# KiCad board IotThermalCamera.kicad_pcb
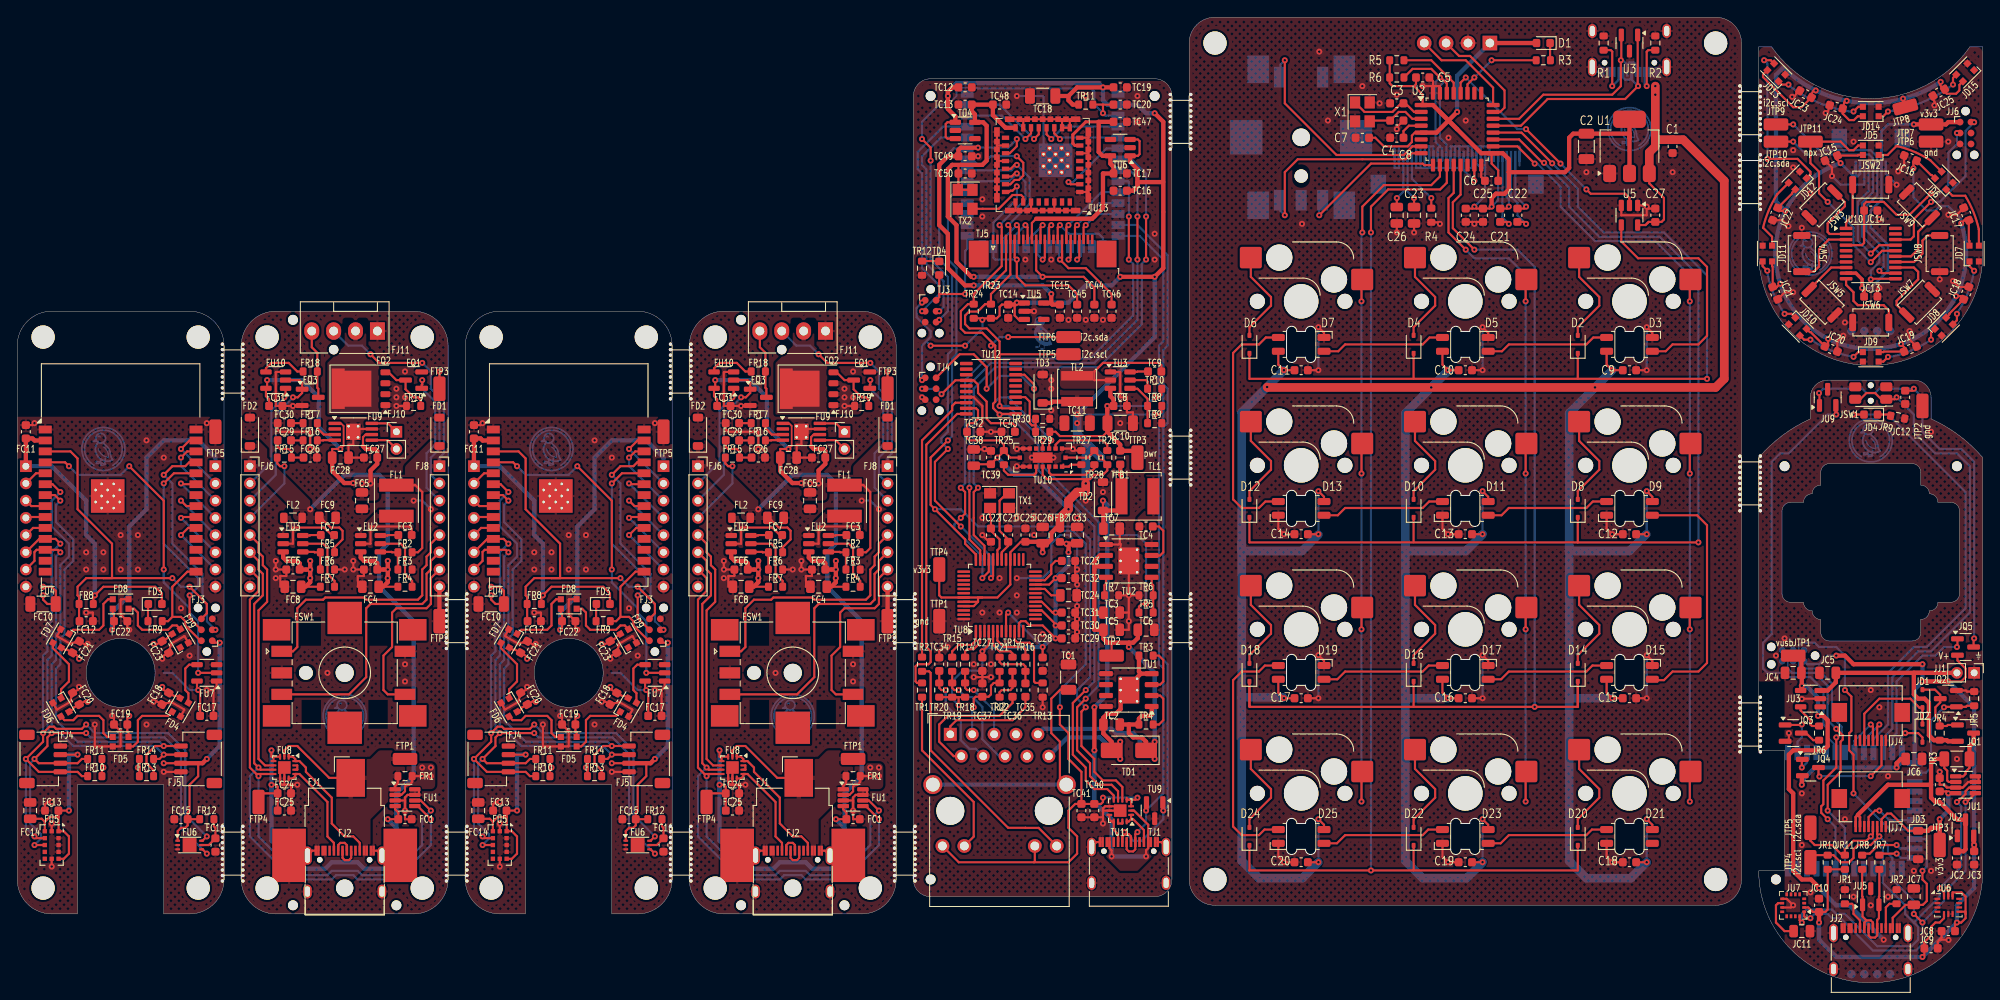
[diagram p0: board, top side]
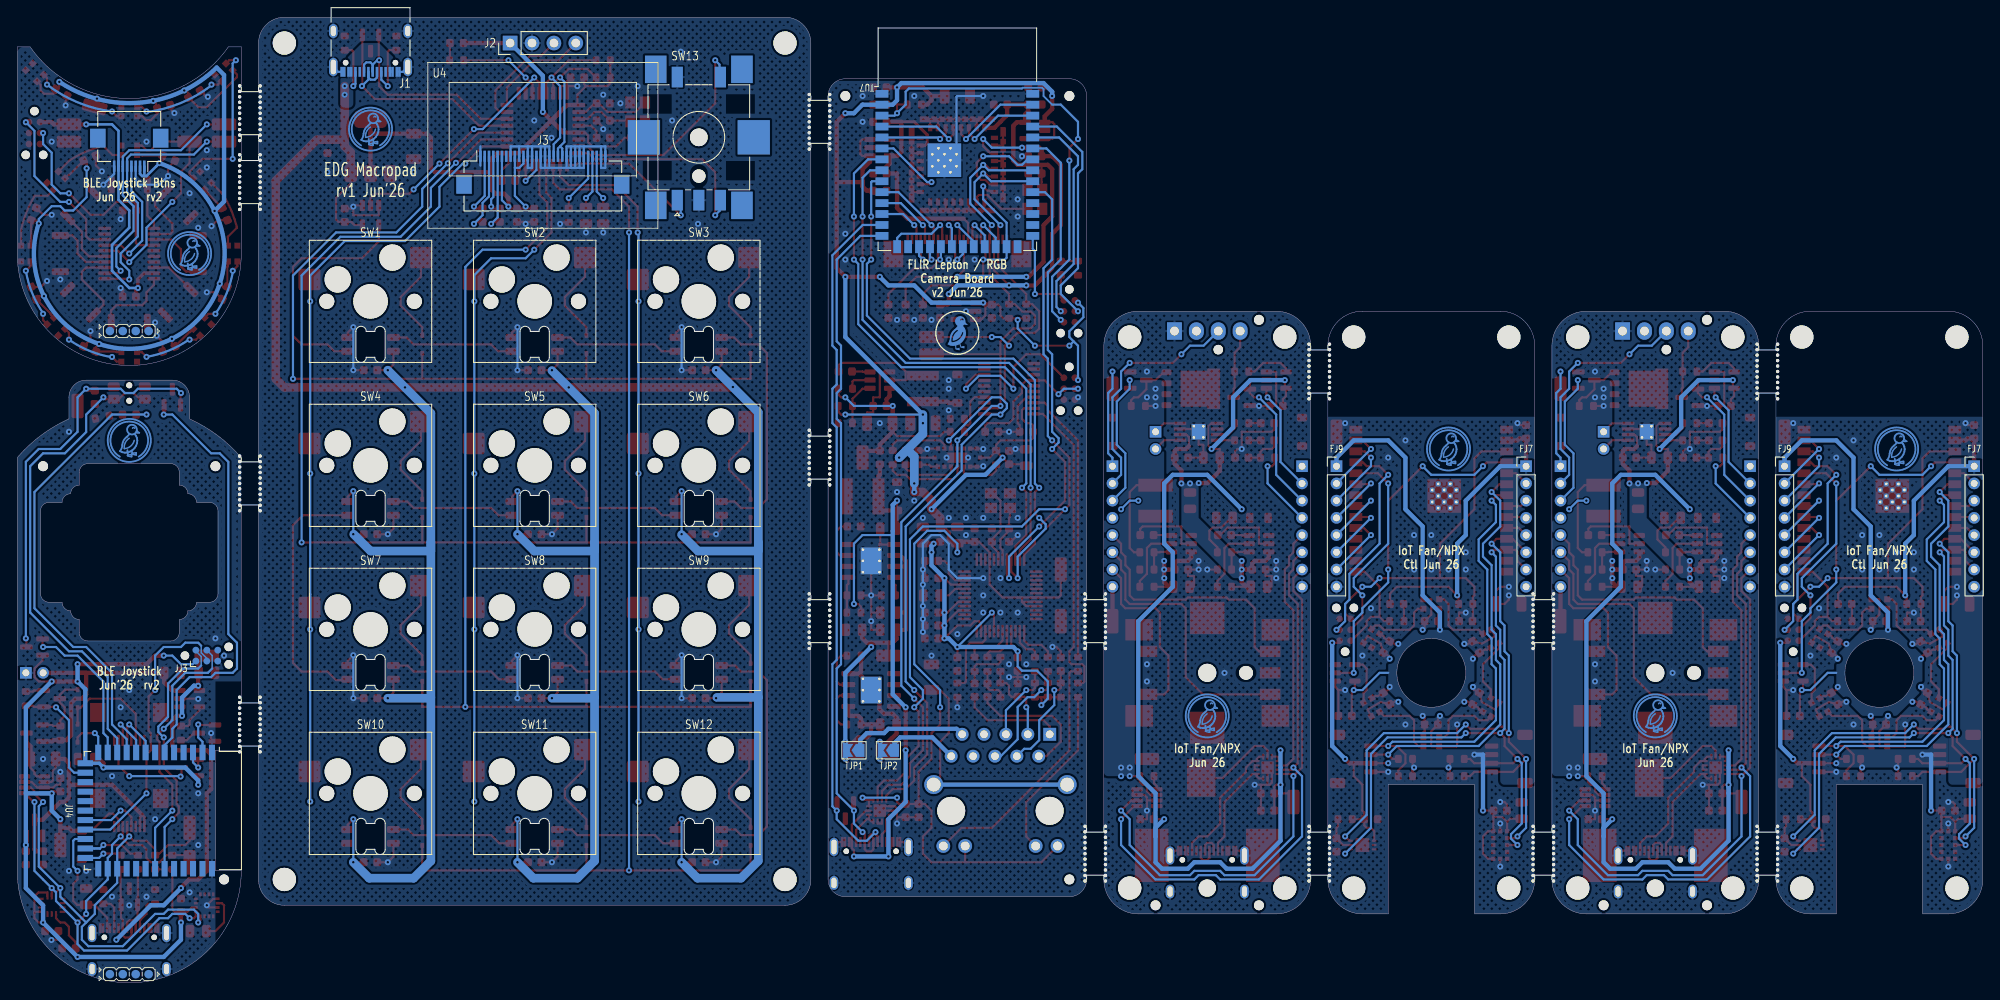
[diagram p1: board, bottom side, seen from below]

Outline 228.1 x 112.15 mm; copper layers: Front, Back. Coordinates in mm from the lower left corner of the outline.
Outline path: circle c12,36 r4 ; circle c64,36 r4 ; 24,74 arc(22.83,76.83) 20,78 4,78 arc(1.17,76.83) 0,74 0,12 arc(1.17,9.17) 4,8 7,8 7,23 17,23 17,8 20,8 arc(22.83,9.17) 24,12 ; 24,68 24,18 ; 26,74 arc(27.17,76.83) 30,78 46,78 arc(48.83,76.83) 50,74 50,45 ; 26,18 26,68 ; 26,12 arc(27.17,9.17) 30,8 46,8 arc(48.83,9.17) 50,12 ; 50,39 50,18 ; 52,45 52,74 arc(53.17,76.83) 56,78 72,78 arc(74.83,76.83) 76,74 ; 52,18 52,39 ; 52,12 arc(53.17,9.17) 56,8 59,8 59,23 69,23 69,8 72,8 arc(74.83,9.17) 76,12 ; 76,68 76,18 ; 78,74 arc(79.17,76.83) 82,78 98,78 arc(100.83,76.83) 102,74 102,45 ; 78,18 78,68 ; 78,12 arc(79.17,9.17) 82,8 98,8 arc(100.83,9.17) 102,12 ; 102,39 102,18 ; 104,45 104,103 arc(104.59,104.41) 106,105 132,105 arc(133.41,104.41) 134,103 ; 104,39 104,18 ; 104,12 arc(104.59,10.59) 106,10 132,10 arc(133.41,10.59) 134,12 134,39 ; 134,64 134,97 ; 134,58 134,45 ; 136,103 136,109.15 arc(136.88,111.27) 139,112.15 197.1,112.15 arc(199.22,111.27) 200.1,109.15 200.1,104 ; 136,64 136,97 ; 136,45 136,58 ; 136,39 136,12 arc(136.88,9.88) 139,9 197.1,9 arc(199.22,9.88) 200.1,12 200.1,27 ; 200.1,96 200.1,98 ; 200.1,90 200.1,61 ; 200.1,55 200.1,33 ; 202.1,104 202.1,108.7 203.6,108.7 arc(208.61,104.29) 215.1,102.7 arc(221.59,104.29) 226.6,108.7 228.1,108.7 228.1,84.7 arc(215.1,71.7) 202.1,84.7 202.1,90 ; 202.1,96 202.1,98 ; 202.1,61 arc(204.85,63.58) 208.1,65.5 208.1,68 arc(208.69,69.41) 210.1,70 220.1,70 arc(221.51,69.41) 222.1,68 222.1,65.5 arc(225.35,63.58) 228.1,61 228.1,13 arc(215.1,0) 202.1,13 205.1,13 205.1,27 202.1,27 ; 202.1,33 202.1,55 ; 204.8,54.8 204.8,45.2 arc(205.09,44.49) 205.8,44.2 207.3,44.2 arc(207.59,43.49) 208.3,43.2 arc(208.59,42.49) 209.3,42.2 209.3,40.7 arc(209.59,39.99) 210.3,39.7 219.9,39.7 arc(220.61,39.99) 220.9,40.7 220.9,42.2 arc(221.61,42.49) 221.9,43.2 arc(222.61,43.49) 222.9,44.2 224.4,44.2 arc(225.11,44.49) 225.4,45.2 225.4,54.8 arc(225.11,55.51) 224.4,55.8 222.9,55.8 arc(222.61,56.51) 221.9,56.8 arc(221.61,57.51) 220.9,57.8 220.9,59.3 arc(220.61,60.01) 219.9,60.3 210.3,60.3 arc(209.59,60.01) 209.3,59.3 209.3,57.8 arc(208.59,57.51) 208.3,56.8 arc(207.59,56.51) 207.3,55.8 205.8,55.8 arc(205.09,55.51) 204.8,54.8
Stack: Front 0.035mm / dielectric 0.91mm FR4 er 4.5 / Back 0.035mm

## Placement (name value [footprint] x y rotation side)
C1  reg.in_cap  [C_0603_1608Metric]  192.1 97.15 270 top
C2  reg.out_cap  [C_1206_3216Metric]  182.1 97.15 270 top
C3  mcu.crystal.cap_a  [C_0603_1608Metric]  160.1 102.15 180 top
C4  mcu.crystal.cap_b  [C_0603_1608Metric]  160.1 100.15 0 top
C5  mcu.vdd_cap[0]  [C_0603_1608Metric]  163.1 105.15 0 top
C6  mcu.vdd_cap[1]  [C_0603_1608Metric]  171.1 93.15 180 top
C7  mcu.vdda_cap  [C_0603_1608Metric]  156.1 98.15 180 top
C8  mcu.reset_cap  [C_0603_1608Metric]  160.1 98.15 180 top
C9  sw.sw[0,0].npx.cap  [C_0603_1608Metric]  187.1 71.15 0 top
C10  sw.sw[1,0].npx.cap  [C_0603_1608Metric]  168.05 71.15 0 top
C11  sw.sw[2,0].npx.cap  [C_0603_1608Metric]  149 71.15 0 top
C12  sw.sw[0,1].npx.cap  [C_0603_1608Metric]  187.1 52.1 180 top
C13  sw.sw[1,1].npx.cap  [C_0603_1608Metric]  168.05 52.1 180 top
C14  sw.sw[2,1].npx.cap  [C_0603_1608Metric]  149 52.1 180 top
C15  sw.sw[0,2].npx.cap  [C_0603_1608Metric]  187.1 33.05 0 top
C16  sw.sw[1,2].npx.cap  [C_0603_1608Metric]  168.05 33.05 0 top
C17  sw.sw[2,2].npx.cap  [C_0603_1608Metric]  149 33.05 0 top
C18  sw.sw[0,3].npx.cap  [C_0603_1608Metric]  187.1 14 180 top
C19  sw.sw[1,3].npx.cap  [C_0603_1608Metric]  168.05 14 180 top
C20  sw.sw[2,3].npx.cap  [C_0603_1608Metric]  149 14 180 top
C21  oled.c1_cap  [C_0603_1608Metric]  172.1 89.15 270 top
C22  oled.c2_cap  [C_0603_1608Metric]  174.1 89.15 270 top
C23  oled.vcomh_cap  [C_0805_2012Metric]  162.1 89.15 270 top
C24  oled.vdd_cap1  [C_0603_1608Metric]  168.1 89.15 270 top
C25  oled.vbat_cap  [C_0603_1608Metric]  170.1 89.15 270 top
C26  oled.vcc_cap  [C_0805_2012Metric]  160.1 89.15 270 top
C27  npx_shift.vdd_cap  [C_0603_1608Metric]  190.1 89.15 90 top
D1  ledr.package  [LED_0603_1608Metric]  177.1 109.15 180 top
D2  sw.sw[0,0].d  [D_SOD-323]  181.1 74.15 90 top
D3  sw.sw[0,0].npx.device  [LED_SK6812MINI-E]  187.1 74.15 0 bottom
D4  sw.sw[1,0].d  [D_SOD-323]  162.05 74.15 90 top
D5  sw.sw[1,0].npx.device  [LED_SK6812MINI-E]  168.05 74.15 0 bottom
D6  sw.sw[2,0].d  [D_SOD-323]  143 74.15 90 top
D7  sw.sw[2,0].npx.device  [LED_SK6812MINI-E]  149 74.15 0 bottom
D8  sw.sw[0,1].d  [D_SOD-323]  181.1 55.1 90 top
D9  sw.sw[0,1].npx.device  [LED_SK6812MINI-E]  187.1 55.1 180 bottom
D10  sw.sw[1,1].d  [D_SOD-323]  162.05 55.1 90 top
D11  sw.sw[1,1].npx.device  [LED_SK6812MINI-E]  168.05 55.1 180 bottom
D12  sw.sw[2,1].d  [D_SOD-323]  143 55.1 90 top
D13  sw.sw[2,1].npx.device  [LED_SK6812MINI-E]  149 55.1 180 bottom
D14  sw.sw[0,2].d  [D_SOD-323]  181.1 36.05 90 top
D15  sw.sw[0,2].npx.device  [LED_SK6812MINI-E]  187.1 36.05 0 bottom
D16  sw.sw[1,2].d  [D_SOD-323]  162.05 36.05 90 top
D17  sw.sw[1,2].npx.device  [LED_SK6812MINI-E]  168.05 36.05 0 bottom
D18  sw.sw[2,2].d  [D_SOD-323]  143 36.05 90 top
D19  sw.sw[2,2].npx.device  [LED_SK6812MINI-E]  149 36.05 0 bottom
D20  sw.sw[0,3].d  [D_SOD-323]  181.1 17 90 top
D21  sw.sw[0,3].npx.device  [LED_SK6812MINI-E]  187.1 17 180 bottom
D22  sw.sw[1,3].d  [D_SOD-323]  162.05 17 90 top
D23  sw.sw[1,3].npx.device  [LED_SK6812MINI-E]  168.05 17 180 bottom
D24  sw.sw[2,3].d  [D_SOD-323]  143 17 90 top
D25  sw.sw[2,3].npx.device  [LED_SK6812MINI-E]  149 17 180 bottom
duck  G***  [Symbol_Duckling]  208.1 84.7 180 bottom
duck#2  G***  [Symbol_Duckling]  10 62 180 bottom
duck#3  G***  [Symbol_Duckling]  62 62 180 bottom
duck#4  G***  [Symbol_Duckling]  187.1 99.15 180 bottom
duck#5  G***  [Symbol_Duckling]  215.1 63 180 bottom
FC1  vin_sense.vs_cap  [C_0603_1608Metric]  97 19 0 top
FC1#2  vin_sense.vs_cap  [C_0603_1608Metric]  45 19 0 top
FC2  reg_5v.hf_in_cap  [C_0603_1608Metric]  41 48 180 top
FC2#2  reg_5v.hf_in_cap  [C_0603_1608Metric]  93 48 180 top
FC3  reg_5v.boot_cap  [C_0603_1608Metric]  45 52 0 top
FC3#2  reg_5v.boot_cap  [C_0603_1608Metric]  97 52 0 top
FC4  reg_5v.power_path.in_cap  [C_0805_2012Metric]  41 46 180 top
FC4#2  reg_5v.power_path.in_cap  [C_0805_2012Metric]  93 46 180 top
FC5  reg_5v.power_path.out_cap  [C_0805_2012Metric]  92 56 270 top
FC5#2  reg_5v.power_path.out_cap  [C_0805_2012Metric]  40 56 270 top
FC6  reg_3v3.hf_in_cap  [C_0603_1608Metric]  84 48 180 top
FC6#2  reg_3v3.hf_in_cap  [C_0603_1608Metric]  32 48 180 top
FC7  reg_3v3.boot_cap  [C_0603_1608Metric]  88 52 0 top
FC7#2  reg_3v3.boot_cap  [C_0603_1608Metric]  36 52 0 top
FC8  reg_3v3.power_path.in_cap  [C_0805_2012Metric]  84 46 180 top
FC8#2  reg_3v3.power_path.in_cap  [C_0805_2012Metric]  32 46 180 top
FC9  reg_3v3.power_path.out_cap  [C_0805_2012Metric]  36 54 0 top
FC9#2  reg_3v3.power_path.out_cap  [C_0805_2012Metric]  88 54 0 top
FC10  control.mcu.vcc_cap0  [C_1206_3216Metric]  55 44 180 top
FC10#2  control.mcu.vcc_cap0  [C_1206_3216Metric]  3 44 180 top
FC11  control.mcu.vcc_cap1  [C_0603_1608Metric]  53 64 90 top
FC11#2  control.mcu.vcc_cap1  [C_0603_1608Metric]  1 64 90 top
FC12  control.mcu.en_pull.c  [C_0603_1608Metric]  8 42 0 top
FC12#2  control.mcu.en_pull.c  [C_0603_1608Metric]  60 42 0 top
FC13  control.dist.vdd_cap[0]  [C_0603_1608Metric]  56 20 180 top
FC13#2  control.dist.vdd_cap[0]  [C_0603_1608Metric]  4 20 180 top
FC14  control.dist.vdd_cap[1]  [C_0805_2012Metric]  1.5 20 90 top
FC14#2  control.dist.vdd_cap[1]  [C_0805_2012Metric]  53.5 20 90 top
FC15  control.als.vcc_cap  [C_0603_1608Metric]  19 19 180 top
FC15#2  control.als.vcc_cap  [C_0603_1608Metric]  71 19 180 top
FC16  control.als.dvi_pull.c  [C_0603_1608Metric]  75 16 270 top
FC16#2  control.als.dvi_pull.c  [C_0603_1608Metric]  23 16 270 top
FC17  control.npx_shift.vdd_cap  [C_0603_1608Metric]  22 31 0 top
FC17#2  control.npx_shift.vdd_cap  [C_0603_1608Metric]  74 31 0 top
FC18  control.npx.led[0].cap  [C_0603_1608Metric]  17.2 33 240 top
FC18#2  control.npx.led[0].cap  [C_0603_1608Metric]  69.2 33 240 top
FC19  control.npx.led[1].cap  [C_0603_1608Metric]  12 30 180 top
FC19#2  control.npx.led[1].cap  [C_0603_1608Metric]  64 30 180 top
FC20  control.npx.led[2].cap  [C_0603_1608Metric]  58.8 33 120 top
FC20#2  control.npx.led[2].cap  [C_0603_1608Metric]  6.8 33 120 top
FC21  control.npx.led[3].cap  [C_0603_1608Metric]  58.8 39 60 top
FC21#2  control.npx.led[3].cap  [C_0603_1608Metric]  6.8 39 60 top
FC22  control.npx.led[4].cap  [C_0603_1608Metric]  12 42 0 top
FC22#2  control.npx.led[4].cap  [C_0603_1608Metric]  64 42 0 top
FC23  control.npx.led[5].cap  [C_0603_1608Metric]  69.2 39 300 top
FC23#2  control.npx.led[5].cap  [C_0603_1608Metric]  17.2 39 300 top
FC24  pd.vdd_cap[0]  [C_0603_1608Metric]  31 22 0 top
FC24#2  pd.vdd_cap[0]  [C_0603_1608Metric]  83 22 0 top
FC25  pd.vdd_cap[1]  [C_0603_1608Metric]  31 20 0 top
FC25#2  pd.vdd_cap[1]  [C_0603_1608Metric]  83 20 0 top
FC26  spk_dac.c  [C_0603_1608Metric]  86 61 0 top
FC26#2  spk_dac.c  [C_0603_1608Metric]  34 61 0 top
FC27  spk_drv.pwr_cap  [C_0603_1608Metric]  41 61 180 top
FC27#2  spk_drv.pwr_cap  [C_0603_1608Metric]  93 61 180 top
FC28  spk_drv.bulk_cap  [C_0805_2012Metric]  89.5 61 0 top
FC28#2  spk_drv.bulk_cap  [C_0805_2012Metric]  37.5 61 0 top
FC29  spk_drv.inp_cap  [C_0603_1608Metric]  83 63 180 top
FC29#2  spk_drv.inp_cap  [C_0603_1608Metric]  31 63 180 top
FC30  spk_drv.inn_cap  [C_0603_1608Metric]  83 65 180 top
FC30#2  spk_drv.inn_cap  [C_0603_1608Metric]  31 65 180 top
FC31  npx_shift.vdd_cap  [C_0603_1608Metric]  82 67 0 top
FC31#2  npx_shift.vdd_cap  [C_0603_1608Metric]  30 67 0 top
FD1  prot_5v  [D_SOD-123]  101 64 90 top
FD1#2  prot_5v  [D_SOD-123]  49 64 90 top
FD2  prot_3v3  [D_SOD-123]  79 64 90 top
FD2#2  prot_3v3  [D_SOD-123]  27 64 90 top
FD3  control.ledr.package  [LED_0603_1608Metric]  68 44 0 top
FD3#2  control.ledr.package  [LED_0603_1608Metric]  16 44 0 top
FD4  control.npx.led[0].device  [LED_WS2812B-2020_PLCC4_2.0x2.0mm]  18.93 32 60 top
FD4#2  control.npx.led[0].device  [LED_WS2812B-2020_PLCC4_2.0x2.0mm]  70.93 32 60 top
FD5  control.npx.led[1].device  [LED_WS2812B-2020_PLCC4_2.0x2.0mm]  64 28 0 top
FD5#2  control.npx.led[1].device  [LED_WS2812B-2020_PLCC4_2.0x2.0mm]  12 28 0 top
FD6  control.npx.led[2].device  [LED_WS2812B-2020_PLCC4_2.0x2.0mm]  5.07 32 300 top
FD6#2  control.npx.led[2].device  [LED_WS2812B-2020_PLCC4_2.0x2.0mm]  57.07 32 300 top
FD7  control.npx.led[3].device  [LED_WS2812B-2020_PLCC4_2.0x2.0mm]  57.07 40 240 top
FD7#2  control.npx.led[3].device  [LED_WS2812B-2020_PLCC4_2.0x2.0mm]  5.07 40 240 top
FD8  control.npx.led[4].device  [LED_WS2812B-2020_PLCC4_2.0x2.0mm]  64 44 180 top
FD8#2  control.npx.led[4].device  [LED_WS2812B-2020_PLCC4_2.0x2.0mm]  12 44 180 top
FD9  control.npx.led[5].device  [LED_WS2812B-2020_PLCC4_2.0x2.0mm]  18.93 40 120 top
FD9#2  control.npx.led[5].device  [LED_WS2812B-2020_PLCC4_2.0x2.0mm]  70.93 40 120 top
FH1  jlc_th.th1  [JlcToolingHole_1.152mm]  44 9 0 top
FH1#2  jlc_th.th1  [JlcToolingHole_1.152mm]  96 9 0 top
FH2  jlc_th.th2  [JlcToolingHole_1.152mm]  32 9 0 top
FH2#2  jlc_th.th2  [JlcToolingHole_1.152mm]  84 9 0 top
FH3  jlc_th.th3  [JlcToolingHole_1.152mm]  84 77 0 top
FH3#2  jlc_th.th3  [JlcToolingHole_1.152mm]  32 77 0 top
FJ1  pwr  [BarrelJack_CUI_PJ-036AH-SMT_Horizontal]  38 18 0 top
FJ1#2  pwr  [BarrelJack_CUI_PJ-036AH-SMT_Horizontal]  90 18 0 top
FJ2  usb  [USB_C_Receptacle_XKB_U262-16XN-4BVC11]  90 11.68 0 top
FJ2#2  usb  [USB_C_Receptacle_XKB_U262-16XN-4BVC11]  38 11.68 0 top
FJ3  control.mcu.prog  [Tag-Connect_TC2030-IDC-NL_2x03_P1.27mm_Vertical]  74 41 90 top
FJ3#2  control.mcu.prog  [Tag-Connect_TC2030-IDC-NL_2x03_P1.27mm_Vertical]  22 41 90 top
FJ4  control.qwiic  [JST_SH_SM04B-SRSS-TB_1x04-1MP_P1.00mm_Horizontal]  55 26 270 top
FJ4#2  control.qwiic  [JST_SH_SM04B-SRSS-TB_1x04-1MP_P1.00mm_Horizontal]  3 26 270 top
FJ5  control.qwiic2  [JST_SH_SM04B-SRSS-TB_1x04-1MP_P1.00mm_Horizontal]  73 26 90 top
FJ5#2  control.qwiic2  [JST_SH_SM04B-SRSS-TB_1x04-1MP_P1.00mm_Horizontal]  21 26 90 top
FJ6  control.conn1  [PinSocket_1x08_P2.00mm_Vertical]  27 60 0 top
FJ6#2  control.conn1  [PinSocket_1x08_P2.00mm_Vertical]  79 60 0 top
FJ7  control.conn1  [PinHeader_1x08_P2.00mm_Vertical]  53 60 180 bottom
FJ7#2  control.conn1  [PinHeader_1x08_P2.00mm_Vertical]  1 60 180 bottom
FJ8  control.conn2  [PinSocket_1x08_P2.00mm_Vertical]  101 60 0 top
FJ8#2  control.conn2  [PinSocket_1x08_P2.00mm_Vertical]  49 60 0 top
FJ9  control.conn2  [PinHeader_1x08_P2.00mm_Vertical]  75 60 180 bottom
FJ9#2  control.conn2  [PinHeader_1x08_P2.00mm_Vertical]  23 60 180 bottom
FJ10  spk  [PinHeader_1x02_P2.00mm_Vertical]  96 64 0 top
FJ10#2  spk  [PinHeader_1x02_P2.00mm_Vertical]  44 64 0 top
FJ11  fan  [FanPinHeader_1x04_P2.54mm_Vertical]  41.8 75.7 180 top
FJ11#2  fan  [FanPinHeader_1x04_P2.54mm_Vertical]  93.8 75.7 180 top
FL1  reg_5v.power_path.inductor  [L_Taiyo-Yuden_NR-50xx]  96 56 90 top
FL1#2  reg_5v.power_path.inductor  [L_Taiyo-Yuden_NR-50xx]  44 56 90 top
FL2  reg_3v3.power_path.inductor  [L_0805_2012Metric]  84 54 0 top
FL2#2  reg_3v3.power_path.inductor  [L_0805_2012Metric]  32 54 0 top
FQ1  fan_drv.pre  [SOT-23]  46 70 180 top
FQ1#2  fan_drv.pre  [SOT-23]  98 70 180 top
FQ2  fan_drv.drv  [PQFN-8-EP_6x5mm_P1.27mm_Generic]  40 69 180 top
FQ2#2  fan_drv.drv  [PQFN-8-EP_6x5mm_P1.27mm_Generic]  92 69 180 top
FQ3  fan_ctl  [SOT-23]  34 68 0 top
FQ3#2  fan_ctl  [SOT-23]  86 68 0 top
FR1  vin_sense.Rs  [R_0603_1608Metric]  97 24 0 top
FR1#2  vin_sense.Rs  [R_0603_1608Metric]  45 24 0 top
FR2  reg_5v.fb.top_res  [R_0603_1608Metric]  45 50 180 top
FR2#2  reg_5v.fb.top_res  [R_0603_1608Metric]  97 50 180 top
FR3  reg_5v.fb.bottom_res  [R_0603_1608Metric]  45 48 0 top
FR3#2  reg_5v.fb.bottom_res  [R_0603_1608Metric]  97 48 0 top
FR4  reg_5v.en_res  [R_0603_1608Metric]  45 46 0 top
FR4#2  reg_5v.en_res  [R_0603_1608Metric]  97 46 0 top
FR5  reg_3v3.fb.top_res  [R_0603_1608Metric]  88 50 180 top
FR5#2  reg_3v3.fb.top_res  [R_0603_1608Metric]  36 50 180 top
FR6  reg_3v3.fb.bottom_res  [R_0603_1608Metric]  36 48 0 top
FR6#2  reg_3v3.fb.bottom_res  [R_0603_1608Metric]  88 48 0 top
FR7  reg_3v3.en_res  [R_0603_1608Metric]  88 46 0 top
FR7#2  reg_3v3.en_res  [R_0603_1608Metric]  36 46 0 top
FR8  control.mcu.en_pull.r  [R_0603_1608Metric]  8 44 180 top
FR8#2  control.mcu.en_pull.r  [R_0603_1608Metric]  60 44 180 top
FR9  control.ledr.res  [R_0603_1608Metric]  16 42 0 top
FR9#2  control.ledr.res  [R_0603_1608Metric]  68 42 0 top
FR10  control.i2c_pull.scl_res  [R_0603_1608Metric]  61 24 180 top
FR10#2  control.i2c_pull.scl_res  [R_0603_1608Metric]  9 24 180 top
FR11  control.i2c_pull.sda_res  [R_0603_1608Metric]  61 26 180 top
FR11#2  control.i2c_pull.sda_res  [R_0603_1608Metric]  9 26 180 top
FR12  control.als.dvi_pull.r  [R_0603_1608Metric]  22 19 0 top
FR12#2  control.als.dvi_pull.r  [R_0603_1608Metric]  74 19 0 top
FR13  control.i2c2_pull.scl_res  [R_0603_1608Metric]  67 24 0 top
FR13#2  control.i2c2_pull.scl_res  [R_0603_1608Metric]  15 24 0 top
FR14  control.i2c2_pull.sda_res  [R_0603_1608Metric]  15 26 0 top
FR14#2  control.i2c2_pull.sda_res  [R_0603_1608Metric]  67 26 0 top
FR15  spk_dac.r  [R_0603_1608Metric]  31 61 0 top
FR15#2  spk_dac.r  [R_0603_1608Metric]  83 61 0 top
FR16  spk_drv.inp_res  [R_0603_1608Metric]  86 63 0 top
FR16#2  spk_drv.inp_res  [R_0603_1608Metric]  34 63 0 top
FR17  spk_drv.inn_res  [R_0603_1608Metric]  86 65 0 top
FR17#2  spk_drv.inn_res  [R_0603_1608Metric]  34 65 0 top
FR18  npx_res  [R_0603_1608Metric]  34 71 0 top
FR18#2  npx_res  [R_0603_1608Metric]  86 71 0 top
FR19  fan_drv.pull  [R_0603_1608Metric]  98 67 0 top
FR19#2  fan_drv.pull  [R_0603_1608Metric]  46 67 0 top
FSW1  enc  [RotaryEncoder_Alps_EC11J15-Switch]  38 36 0 top
FSW1#2  enc  [RotaryEncoder_Alps_EC11J15-Switch]  90 36 0 top
FTP1  _pwr_merge_pwr_out_link  [TestPoint_TE_RCT_0805]  45 26 0 top
FTP1#2  _pwr_merge_pwr_out_link  [TestPoint_TE_RCT_0805]  97 26 0 top
FTP2  gnd  [TestPoint_TE_RCT_0805]  49 42 90 top
FTP2#2  gnd  [TestPoint_TE_RCT_0805]  101 42 90 top
FTP3  v5  [TestPoint_TE_RCT_0805]  101 69 270 top
FTP3#2  v5  [TestPoint_TE_RCT_0805]  49 69 270 top
FTP4  v3v3  [TestPoint_TE_RCT_0805]  28 21 90 top
FTP4#2  v3v3  [TestPoint_TE_RCT_0805]  80 21 90 top
FTP5  gnd  [TestPoint_TE_RCT_0805]  75 64 90 top
FTP5#2  gnd  [TestPoint_TE_RCT_0805]  23 64 90 top
FU1  vin_sense.ic  [SOT-23-8]  45 21.5 0 top
FU1#2  vin_sense.ic  [SOT-23-8]  97 21.5 0 top
FU2  reg_5v.ic  [SOT-23-6]  41 51 0 top
FU2#2  reg_5v.ic  [SOT-23-6]  93 51 0 top
FU3  reg_3v3.ic  [SOT-23-6]  84 51 0 top
FU3#2  reg_3v3.ic  [SOT-23-6]  32 51 0 top
FU4  control.mcu.ic  [ESP32-S3-WROOM-1]  12 59 0 top
FU4#2  control.mcu.ic  [ESP32-S3-WROOM-1]  64 59 0 top
FU5  control.dist.ic  [ST_VL53L0X]  4 16 270 top
FU5#2  control.dist.ic  [ST_VL53L0X]  56 16 270 top
FU6  control.als.ic  [HVSOF6]  72 16 0 top
FU6#2  control.als.ic  [HVSOF6]  20 16 0 top
FU7  control.npx_shift.ic  [SOT-23-5]  74 36 180 top
FU7#2  control.npx_shift.ic  [SOT-23-5]  22 36 180 top
FU8  pd.ic  [WQFN-14-1EP_2.5x2.5mm_P0.5mm_EP1.45x1.45mm]  31 25 270 top
FU8#2  pd.ic  [WQFN-14-1EP_2.5x2.5mm_P0.5mm_EP1.45x1.45mm]  83 25 270 top
FU9  spk_drv.ic  [MSOP-8-1EP_3x3mm_P0.65mm_EP1.68x1.88mm_ThermalVias]  39 64 0 top
FU9#2  spk_drv.ic  [MSOP-8-1EP_3x3mm_P0.65mm_EP1.68x1.88mm_ThermalVias]  91 64 0 top
FU10  npx_shift.ic  [SOT-23-5]  30 70 180 top
FU10#2  npx_shift.ic  [SOT-23-5]  82 70 180 top
H1  -  [MountingHole_2.7mm_M2.5_ISO14580]  3 75 0 top
H1#2  -  [MountingHole_2.7mm_M2.5_ISO14580]  55 75 0 top
H1#3  -  [MountingHole_2.7mm_M2.5_ISO14580]  81 75 0 top
H1#4  -  [MountingHole_2.7mm_M2.5_ISO14580]  29 75 0 top
H2  -  [MountingHole_2.7mm_M2.5_ISO14580]  73 75 0 top
H2#2  -  [MountingHole_2.7mm_M2.5_ISO14580]  99 75 0 top
H2#3  -  [MountingHole_2.7mm_M2.5_ISO14580]  21 75 0 top
H2#4  -  [MountingHole_2.7mm_M2.5_ISO14580]  47 75 0 top
H3  -  [MountingHole_2.7mm_M2.5_ISO14580]  29 11 0 top
H3#2  -  [MountingHole_2.7mm_M2.5_ISO14580]  3 11 0 top
H3#3  -  [MountingHole_2.7mm_M2.5_ISO14580]  81 11 0 top
H3#4  -  [MountingHole_2.7mm_M2.5_ISO14580]  55 11 0 top
H4  -  [MountingHole_2.7mm_M2.5_ISO14580]  21 11 0 top
H4#2  -  [MountingHole_2.7mm_M2.5_ISO14580]  99 11 0 top
H4#3  -  [MountingHole_2.7mm_M2.5_ISO14580]  47 11 0 top
H4#4  -  [MountingHole_2.7mm_M2.5_ISO14580]  73 11 0 top
J1  usb.conn  [USB_C_Receptacle_XKB_U262-16XN-4BVC11]  187.1 109.47 0 bottom
J2  mcu.sdi  [PinHeader_1x04_P2.54mm_Vertical]  170.9 109.15 90 bottom
J3  oled.device  [Hirose_FH12-30S-0.5SH_1x30-1MP_P0.50mm_Horizontal]  167.1 94.15 180 bottom
JC1  vbat_sense.vs_cap  [C_0603_1608Metric]  223.1 23 90 top
JC2  reg_3v3.in_cap  [C_0603_1608Metric]  225.1 14.5 270 top
JC3  reg_3v3.out_cap  [C_0603_1608Metric]  227.1 14.5 270 top
JC4  chg.vdd_cap  [C_0805_2012Metric]  206.1 36 180 top
JC5  chg.vbat_cap  [C_0805_2012Metric]  210.1 36 180 top
JC6  mcu.vcc_cap  [C_0805_2012Metric]  220.1 26 0 top
JC7  mcu.vbus_cap  [C_0805_2012Metric]  220.1 10 90 top
JC8  imu.vdd_cap  [C_0603_1608Metric]  224.1 6 180 top
JC9  imu.vddio_cap  [C_0603_1608Metric]  222.1 4 0 top
JC10  mag.vdd_cap  [C_0603_1608Metric]  209.1 9 90 top
JC11  mag.c1  [C_0805_2012Metric]  207.1 6 0 top
JC12  trig.cbyp  [C_0603_1608Metric]  219.1 68 270 top
JC13  btns.ioe.vdd_cap  [C_0603_1608Metric]  215.1 79.7 0 top
JC14  btns.ioe.reset_cap  [C_0603_1608Metric]  215.1 89.7 0 top
JC15  btns.npx_dpad.led[0].cap  [C_0603_1608Metric]  210.51 95.79 202.5 top
JC16  btns.npx_dpad.led[1].cap  [C_0603_1608Metric]  219.69 95.79 157.5 top
JC17  btns.npx_dpad.led[2].cap  [C_0603_1608Metric]  226.19 89.29 112.5 top
JC18  btns.npx_dpad.led[3].cap  [C_0603_1608Metric]  226.19 80.11 67.5 top
JC19  btns.npx_dpad.led[4].cap  [C_0603_1608Metric]  219.69 73.61 22.5 top
JC20  btns.npx_dpad.led[5].cap  [C_0603_1608Metric]  210.51 73.61 337.5 top
JC21  btns.npx_dpad.led[6].cap  [C_0603_1608Metric]  204.01 80.11 292.5 top
JC22  btns.npx_dpad.led[7].cap  [C_0603_1608Metric]  204.01 89.29 247.5 top
JC23  btns.npx_js.led[0].cap  [C_0603_1608Metric]  207.53 103.21 150 top
JC24  btns.npx_js.led[1].cap  [C_0603_1608Metric]  211.09 101.73 165 top
JC25  btns.npx_js.led[2].cap  [C_0603_1608Metric]  223 103.41 210 top
JD1  gate.ctl_diode  [D_SOD-323]  221.1 33 90 top
JD2  gate.btn_diode  [D_SOD-323]  221.1 29 270 top
JD3  prot_3v3  [D_SOD-123]  220.6 16 270 top
JD4  ledr.package  [LED_0603_1608Metric]  215.1 66 180 top
JD5  btns.npx_dpad.led[0].device  [LED_WS2812B-2020_PLCC4_2.0x2.0mm]  215.1 96.7 180 top
JD6  btns.npx_dpad.led[1].device  [LED_WS2812B-2020_PLCC4_2.0x2.0mm]  223.59 93.19 135 top
JD7  btns.npx_dpad.led[2].device  [LED_WS2812B-2020_PLCC4_2.0x2.0mm]  227.1 84.7 90 top
JD8  btns.npx_dpad.led[3].device  [LED_WS2812B-2020_PLCC4_2.0x2.0mm]  223.59 76.21 45 top
JD9  btns.npx_dpad.led[4].device  [LED_WS2812B-2020_PLCC4_2.0x2.0mm]  215.1 72.7 0 top
JD10  btns.npx_dpad.led[5].device  [LED_WS2812B-2020_PLCC4_2.0x2.0mm]  206.61 76.21 315 top
JD11  btns.npx_dpad.led[6].device  [LED_WS2812B-2020_PLCC4_2.0x2.0mm]  203.1 84.7 270 top
JD12  btns.npx_dpad.led[7].device  [LED_WS2812B-2020_PLCC4_2.0x2.0mm]  206.61 93.19 225 top